# Altium PCB ControlBoard.PcbDoc (part 1 of 3) (continued)
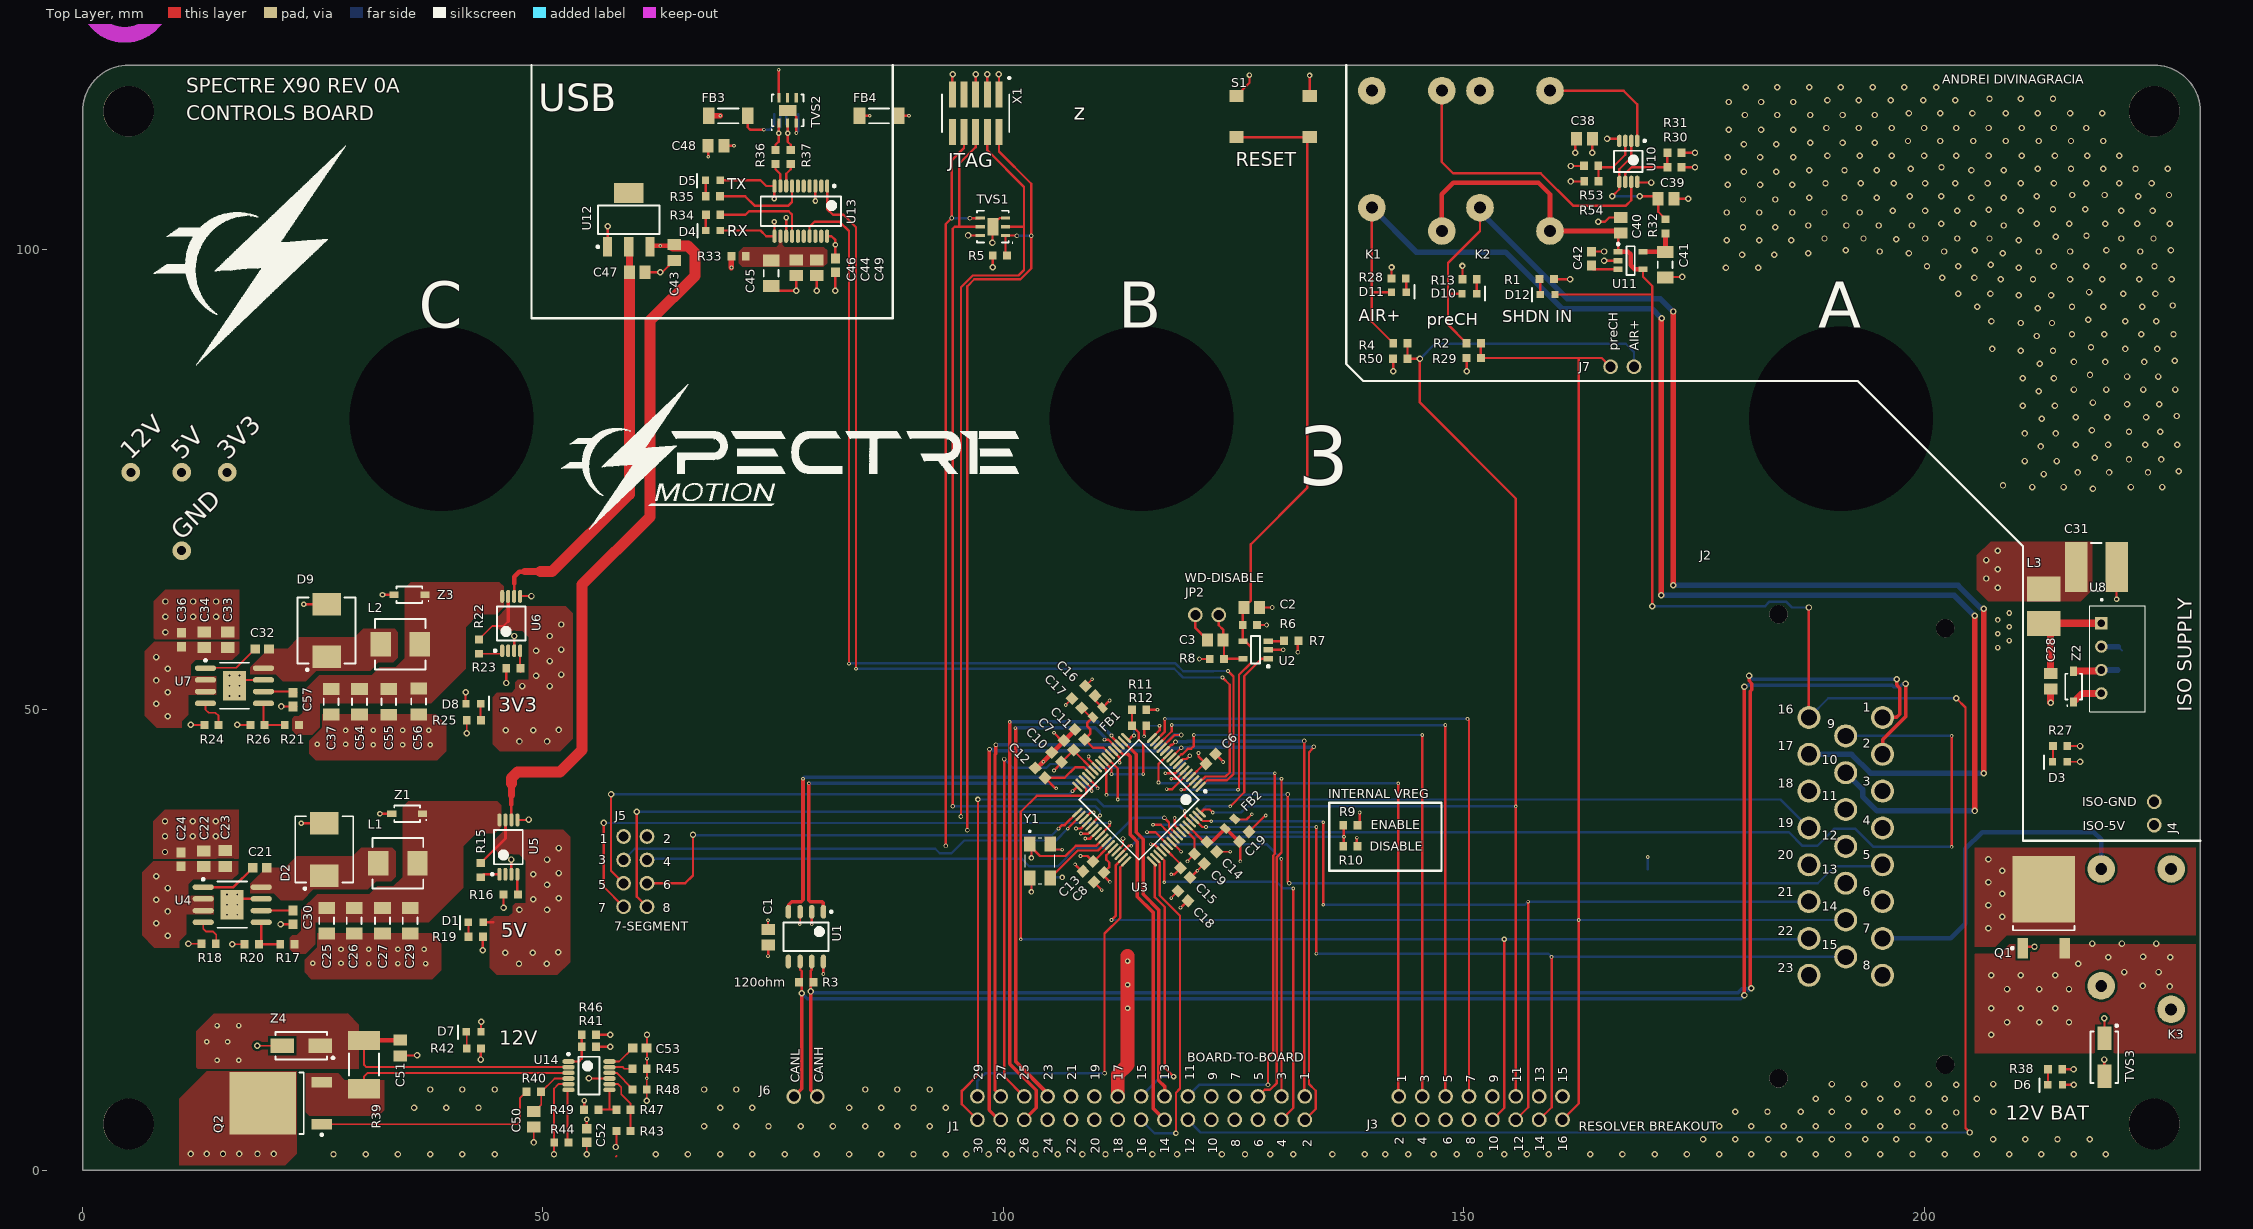
[diagram p0: Top Layer view]
## Part data (continued)
J5: library part CONN-8PIN, "CONN HEADER VERT 8POS 2.54MM", Color=Black, Manufacturer=Sullins, Package Quantity=1, Supplier Part Number 1=S2012EC-04-ND, ComponentLink1Description=https://drawings-pdf.s3.amazonaws.com/11636.pdf?src-supplier=Digi-Key, ComponentLink1URL=https://drawings-pdf.s3.amazonaws.com/11636.pdf?src-supplier=Digi-Key, Connector Type="Male Pin", Contact Mating Length=0.23inch, Contact Plating=Tin, Contact Type="Male Pin", Manufacturer Part Number=PREC004DAAN-RC, Mount="Through Hole", Number of Positions=8, Number of Rows=2, Packaging=Bulk, Pitch=0.1inch, Pricing 1="1=0.19, 10=0.179, 25=0.1524, 50=0.1334, 100=0.1239, 250=0.10956, 500=0.1048 (USD)", RoHS Compliant=Yes, Row Spacing=0.1inch, Series=-, Stock 1=939, Supplier 1=Digi-Key, Termination=Solder
J6 J7 JP2: library part M20-9990246, "CONN HEADER VERT 2POS 2.54MM", Case/Package=SIL, Colour=Black, Contact Resistance=30mR, Current Rating=3A, Insulation Resistance=10GR, Manufacturer=Harwin, Max Operating Temperature=105°C, Min Operating Temperature=-40°C, Package Quantity=1000, Voltage Rating (AC)=750V, ComponentLink1Description=https://datasheet.ciiva.com/8046/315376-8046930.pdf, ComponentLink1URL=https://datasheet.ciiva.com/8046/315376-8046930.pdf, ComponentLink2Description=https://datasheet.ciiva.com/6833/m20-999-6833368.pdf, ComponentLink2URL=https://datasheet.ciiva.com/6833/m20-999-6833368.pdf, ComponentLink3Description=https://datasheet.ciiva.com/11745/0900766b81034e61-11745755.pdf, ComponentLink3URL=https://datasheet.ciiva.com/11745/0900766b81034e61-11745755.pdf, ComponentLink4Description=https://datasheet.ciiva.com/22660/1830818-22660571.pdf, ComponentLink4URL=https://datasheet.ciiva.com/22660/1830818-22660571.pdf, ComponentLink5Description=https://datasheet.ciiva.com/26852/getdatasheetpartid-384170-26852203.pdf, ComponentLink5URL=https://datasheet.ciiva.com/26852/getdatasheetpartid-384170-26852203.pdf, Connector Type="Male Pin", Contact Material=Bronze,Brass, Contact Mating Length=0.24inch, Contact Plating=Tin, Depth=2.54mm, Gender=Male, Housing Colour=Black, Housing Material=Nylon, Length=5.08mm, Manufacturer Part Number=M20-9990246, Max Current Rating=3A, Number of Contacts=2, Number of Positions=2, Number of Rows=1, Orientation=Straight, Packaging=Bulk, Pitch=2.54mm, Pricing 1="1=0.11, 10=0.099, 100=0.0609, 500=0.0504, 1000=0.0441, 5000=0.0378, 10000=0.0368 (USD)", Radiation Hardening=No, REACH SVHC="No SVHC", Stock 1=53577, Supplier 1=Digi-Key, Supplier Part Number 1=952-2262-ND, Termination=Solder
K1 K2 K3: library part OJE-SH-112DM,000, "General Purpose Relay SPST-NO (1 Form A) 12VDC Coil Through Hole", Coil Current=37.5mA, Coil Power=500mW, Coil Resistance=320R, Coil Voltage (DC)=12V, Contact Current Rating=5A, Contact Voltage Rating (DC)=30V, Manufacturer="TE Connectivity", Max Operating Temperature=85°C, Max Voltage Rating (AC)=265V, Min Operating Temperature=-30°C, Package Quantity=100, Supplier Part Number 1=PB875-ND, Coil Type=Non-Latching, ComponentLink1Description=http://www.farnell.com/datasheets/1846831.pdf?src-supplier=Farnell, ComponentLink1URL=http://www.farnell.com/datasheets/1846831.pdf?src-supplier=Farnell, ComponentLink2Description=http://www.onlinecomponents.com/productFiles/mf-PB/ojojeseries.pdf?src-supplier=Onlinecomponents.com, ComponentLink2URL=http://www.onlinecomponents.com/productFiles/mf-PB/ojojeseries.pdf?src-supplier=Onlinecomponents.com, Contact Material=Silver, Height=14.7mm, Lead Free="Lead Free", Length=0.717inch, Manufacturer Part Number=OJE-SH-112DM,000, Max Voltage Rating (DC)=30V, Mount="Through Hole", Number of Pins=4, Operate Time=10ms, Packaging=Tray, Pricing 1="1=1.18, 10=1.105, 25=0.9824, 50=0.9334, 100=0.8843, 250=0.78608, 500=0.73696, 1000=0.68782, 5000=0.66326 (USD)", REACH SVHC=Unknown, Relay Type="General Purpose", Release Time=4ms, RoHS Compliant=Yes, Series="OJE, OEG", Stock 1=912, Supplier 1=Digi-Key, Termination=PCB, Throw Configuration=SPST, Weight=9g, Width=0.4inch
L1 L2: "FIXED IND 3.3UH 5.5A 40.4MOHM SM", Case/Package=2020, Current Rating=5.5A, DC Resistance (DCR)=40.4mR, Inductance=3.3uH, Inductance Tolerance=20%, Manufacturer="Vishay Dale", Manufacturer Part Number=IHLP2020CZER3R3M11, Max DC Current=7A, Max Operating Temperature=125°C, Min Operating Temperature=-55°C, Package Quantity=2000, Self Resonant Frequency=29MHz, Supplier Part Number 1=541-1237-1-ND, Test Frequency=100kHz, ComponentLink1Description=http://www.farnell.com/datasheets/480942.pdf?src-supplier=Element14, ComponentLink1URL=http://www.farnell.com/datasheets/480942.pdf?src-supplier=Element14, ComponentLink2Description=http://www.vishay.com/docs/34260/ihlp2020cz11.pdf?src-supplier=Digi-Key, ComponentLink2URL=http://www.vishay.com/docs/34260/ihlp2020cz11.pdf?src-supplier=Digi-Key, ComponentLink3Description=http://www.mouser.com/ds/2/427/ihlp2020cz11-270739.pdf?src-supplier=Mouser, ComponentLink3URL=http://www.mouser.com/ds/2/427/ihlp2020cz11-270739.pdf?src-supplier=Mouser, ComponentLink4Description=http://uk.rs-online.com/webdocs/102c/0900766b8102c930.pdf?src-supplier=RSComponents, ComponentLink4URL=http://uk.rs-online.com/webdocs/102c/0900766b8102c930.pdf?src-supplier=RSComponents, ComponentLink5Description=http://www.vishay.com/docs/34260/lp20cz11.pdf?src-supplier=Avnet, ComponentLink5URL=http://www.vishay.com/docs/34260/lp20cz11.pdf?src-supplier=Avnet, Contact Plating=Tin, Depth=5.43mm, Height=3mm, Height - Seated (Max)=0.118inch, Lead Free="Lead Free", Length=5.74mm, Military Standard=Not, Mount="Surface Mount", Packaging="Tape and Reel", Pricing 1="1=1.29, 10=1.194, 25=1.1024, 50=0.9188, 100=0.8636, 250=0.77176, 500=0.6615, 1000=0.588 (USD)", Radiation Hardening=No, Rated Current-Max=5.5A, REACH SVHC=Unknown, RMS Current (Irms)=5.5A, Saturation Current=7A, Series=IHLP-2020CZ-11, Shielding=Shielded, Stock 1=17207, Supplier 1=Digi-Key, Termination=SMD/SMT, Tolerance=20%, Width=0.204inch
L3: library part IND-22uH-630mA, "FIXED IND 22UH 630MA 700MOHM SMD", Manufacturer=Recom, Manufacturer Part Number=RLS-226, Supplier Part Number 1=945-30004971-ND, ComponentLink1Description=https://www.recom-power.com/pdf/Accessories/RLS-226.pdf?src-supplier=Digi-Key, ComponentLink1URL=https://www.recom-power.com/pdf/Accessories/RLS-226.pdf?src-supplier=Digi-Key, Pricing 1="1=0.72, 5=0.714, 10=0.704, 25=0.6832, 50=0.6626, 250=0.62116, 500=0.57974 (USD)", Stock 1=512, Supplier 1=Digi-Key
Q1 Q2: "MOSFET N CH 60V 20A TO252", Case/Package=TO-252-3, Continuous Drain Current (ID)=20A, Drain to Source Resistance=30mR, Drain to Source Voltage (Vdss)=60V, Gate to Source Voltage (Vgs)=20V, Input Capacitance=1.287nF, Manufacturer=Diodes, Max Operating Temperature=150°C, Max Power Dissipation=42W, Min Operating Temperature=-55°C, Package Quantity=2500, Supplier Part Number 1=DMN6040SK3-13DICT-ND, ComponentLink1Description=http://www.mouser.com/ds/2/115/DMN6040SK3-247263.pdf?src-supplier=Mouser, ComponentLink1URL=http://www.mouser.com/ds/2/115/DMN6040SK3-247263.pdf?src-supplier=Mouser, ComponentLink2Description=http://uk.rs-online.com/webdocs/1268/0900766b81268cd0.pdf?src-supplier=RSComponents, ComponentLink2URL=http://uk.rs-online.com/webdocs/1268/0900766b81268cd0.pdf?src-supplier=RSComponents, ComponentLink3Description=http://www.diodes.com/datasheets/DMN6040SK3.pdf?src-supplier=Avnet, ComponentLink3URL=http://www.diodes.com/datasheets/DMN6040SK3.pdf?src-supplier=Avnet, ComponentLink4Description=https://www.diodes.com/assets/Datasheets/DMN6040SK3.pdf?src-supplier=Digi-Key, ComponentLink4URL=https://www.diodes.com/assets/Datasheets/DMN6040SK3.pdf?src-supplier=Digi-Key, Element Configuration=Single, Fall Time=4ns, FET Type="1 N-Channel", Height=2.39mm, Lead Free="Lead Free", Length=6.7mm, Manufacturer Part Number=DMN6040SK3-13, Mount="Surface Mount", Number of Channels=1, Number of Pins=3, Packaging="Tape and Reel", Polarity=N-CHANNEL, Pricing 1="1=0.67, 10=0.573, 25=0.5344, 100=0.4275, 500=0.3359, 1000=0.25956 (USD)", Radiation Hardening=No, Rds On Max=40mR, REACH SVHC="No SVHC", Rise Time=8.1ns, RoHS Compliant=Yes, Series=-, Stock 1=2500, Supplier 1=Digi-Key, Turn-Off Delay Time=20.1ns, Turn-On Delay Time=6.6ns, Weight=0.139332oz, Width=6.2mm
R1 R5 R6 R8 R13 R28 R38 R42 R53: library part 0603-2K2, "RES SMD 2.2K OHM 5% 1/10W 0603", Case/Package=0603, Case Code (Metric)=1608, Manufacturer=Yageo, Manufacturer Part Number=AC0603JR-072K2L, Max Operating Temperature=155°C, Max Power Dissipation=100mW, Min Operating Temperature=-55°C, Resistance=2.2kR, Resistor Type="Thick Film", Supplier Part Number 1=YAG3657CT-ND, Temperature Coefficient=100ppm/°C, Tolerance=5%, Voltage Rating=50V, Case Code (Imperial)=0603, ComponentLink1Description=http://www.mouser.com/ds/2/447/yageodocoutput-1111992.pdf?src-supplier=Mouser, ComponentLink1URL=http://www.mouser.com/ds/2/447/yageodocoutput-1111992.pdf?src-supplier=Mouser, ComponentLink2Description=http://www.yageo.com/documents/recent/PYu-AC_51_RoHS_L_2_revised.pdf?src-supplier=Avnet+Europe, ComponentLink2URL=http://www.yageo.com/documents/recent/PYu-AC_51_RoHS_L_2_revised.pdf?src-supplier=Avnet+Europe, ComponentLink3Description=http://www.yageo.com/NewPortal/yageodocoutput?fileName=/pdf/R-Chip/PYu-AC_51_RoHS_L_6.pdf&src-supplier=Digi-Key, ComponentLink3URL=http://www.yageo.com/NewPortal/yageodocoutput?fileName=/pdf/R-Chip/PYu-AC_51_RoHS_L_6.pdf&src-supplier=Digi-Key, ComponentLink4Description=https://www.yageo.com/upload/media/product/productsearch/datasheet/rchip/PYu-AC_51_RoHS_L_7.pdf?src-supplier=Digi-Key, ComponentLink4URL=https://www.yageo.com/upload/media/product/productsearch/datasheet/rchip/PYu-AC_51_RoHS_L_7.pdf?src-supplier=Digi-Key, Contact Plating=Tin,Matte, Features="Moisture Resistant,Automotive AEC-Q200", Height=0.022inch, Lead Free="Lead Free", Length=0.063inch, Number of Terminations=2, Packaging="Tape and Reel", Power Rating=100mW, Pricing 1="1=0.1, 10=0.024, 100=0.0097, 1000=0.00436, 2500=0.00378 (USD)", Radiation Hardening=No, RoHS Compliant=Yes, Series=AC, Stock 1=107229, Supplier 1=Digi-Key, Termination=SMD/SMT, Width=0.8mm
R2 R4 R41: library part 0603-62K, "RES SMD 62K OHM 1% 1/4W 0603", Case/Package=0603, Case Code (Metric)=1608, Manufacturer=Panasonic, Manufacturer Part Number=ERJ-PA3F6202V, Max Operating Temperature=155°C, Max Power Dissipation=250mW, Min Operating Temperature=-55°C, Resistance=62kR, Resistor Type="Thick Film", Supplier Part Number 1=P62KBYCT-ND, Temperature Coefficient=100ppm/°C, Tolerance=1%, Voltage Rating=150V, Case Code (Imperial)=0603, ComponentLink1Description=http://www.farnell.com/datasheets/2059624.pdf?src-supplier=Farnell, ComponentLink1URL=http://www.farnell.com/datasheets/2059624.pdf?src-supplier=Farnell, ComponentLink2Description=http://www.farnell.com/datasheets/1801181.pdf?src-supplier=Element14, ComponentLink2URL=http://www.farnell.com/datasheets/1801181.pdf?src-supplier=Element14, Depth=0.8mm, Features="Automotive AEC-Q200", Height=0.018inch, Length=0.063inch, Mount="Surface Mount", Number of Terminations=2, Packaging="Cut Tape", Power Rating=250mW, Pricing 1="1=0.15, 10=0.13, 100=0.05, 1000=0.02201, 2500=0.01901 (USD)", REACH SVHC="No SVHC", Stock 1=17832, Supplier 1=Digi-Key, Termination=Solder, Voltage Rating (DC)=150V, Width=0.031inch
R3: library part 0603-120R, "RES SMD 120 OHM 1% 1/10W 0603", Case/Package=0603, Case Code (Metric)=1608, Manufacturer=Yageo, Manufacturer Part Number=RC0603FR-07120RL, Max Operating Temperature=155°C, Max Power Dissipation=100mW, Min Operating Temperature=-55°C, Package Quantity=1, Supplier Part Number 1=311-120HRDKR-ND, Temperature Coefficient=100ppm/°C, Tolerance=1%, Voltage Rating=50V, Case Code (Imperial)=0603, ComponentLink1Description=http://www.yageo.com/documents/recent/PYu-RC_Group_51_RoHS_L_10.pdf?src-supplier=Digi-Key, ComponentLink1URL=http://www.yageo.com/documents/recent/PYu-RC_Group_51_RoHS_L_10.pdf?src-supplier=Digi-Key, ComponentLink2Description=http://www.farnell.com/datasheets/2167052.pdf?src-supplier=Element14, ComponentLink2URL=http://www.farnell.com/datasheets/2167052.pdf?src-supplier=Element14, ComponentLink3Description=http://www.farnell.com/datasheets/1868787.pdf?src-supplier=Element14, ComponentLink3URL=http://www.farnell.com/datasheets/1868787.pdf?src-supplier=Element14, ComponentLink4Description=http://www.farnell.com/datasheets/443971.pdf?src-supplier=Element14, ComponentLink4URL=http://www.farnell.com/datasheets/443971.pdf?src-supplier=Element14, Composition="Thick Film", Depth=0.8mm, Features="Moisture Resistant", Height=0.022inch, Lead Free="Lead Free", Length=1.6mm, Military Standard=Not, Number of Pins=2, Number of Terminations=2, Packaging="Tape and Reel", Power Rating=100mW, Pricing 1="1=0.1, 10=0.023, 100=0.0094, 1000=0.00421, 2500=0.00366 (USD)", REACH SVHC="No SVHC", Resistance=120R, Stock 1=1047274, Supplier 1=Digi-Key, Termination=SMD/SMT, Voltage Rating (DC)=50V, Width=0.031inch
R7 R9 R10 R33 R44 R45 R48: library part 0603-0R, "RES SMD 0 OHM JUMPER 1/10W 0603", Case/Package=0603, Case Code (Metric)=1608, Manufacturer=Yageo, Manufacturer Part Number=RC0603JR-070RL, Max Operating Temperature=155°C, Min Operating Temperature=-55°C, Package Quantity=5000, Power Rating=100mW, Resistance=0mR, Supplier Part Number 1=311-0.0GRCT-ND, Temperature Coefficient=200ppm/°C, Tolerance=1%, Voltage Rating=50V, Case Code (Imperial)=0603, ComponentLink1Description=http://www.farnell.com/datasheets/2167052.pdf?src-supplier=Element14, ComponentLink1URL=http://www.farnell.com/datasheets/2167052.pdf?src-supplier=Element14, ComponentLink2Description=https://www.verical.com/server-webapp/html/getDatasheet?partID=329462&src-supplier=Verical, ComponentLink2URL=https://www.verical.com/server-webapp/html/getDatasheet?partID=329462&src-supplier=Verical, ComponentLink3Description=http://www.yageo.com/documents/recent/PYu-RC_Group_51_RoHS_L_9.pdf?src-supplier=Mouser, ComponentLink3URL=http://www.yageo.com/documents/recent/PYu-RC_Group_51_RoHS_L_9.pdf?src-supplier=Mouser, ComponentLink4Description=http://www.farnell.com/datasheets/443971.pdf?src-supplier=Element14, ComponentLink4URL=http://www.farnell.com/datasheets/443971.pdf?src-supplier=Element14, ComponentLink5Description=http://documents.rs-components.com/techlib://itc_doclist_GB.htm?stockno=6515918&src-supplier=RSComponents, ComponentLink5URL=http://documents.rs-components.com/techlib://itc_doclist_GB.htm?stockno=6515918&src-supplier=RSComponents, Composition="Thick Film", Contact Plating=Tin,Matte, Depth=0.8mm, Height=0.45mm, Lead Free="Lead Free", Length=1.6mm, Military Standard=Not, Number of Pins=2, Packaging="Tape and Reel", Pricing 1="1=0.1, 10=0.019, 25=0.0136, 50=0.0104, 100=0.0077, 250=0.00588, 500=0.00472, 1000=0.00347 (USD)", Radiation Hardening=No, REACH SVHC="No SVHC", Stock 1=25658294, Supplier 1=Digi-Key, Termination=SMD/SMT, Voltage Rating (DC)=50V, Width=0.8mm
R11 R14: library part 0603-10KR, "RES SMD 10K OHM 5% 1/10W 0603", Case/Package=0603, Case Code (Metric)=1608, Manufacturer=Yageo, Manufacturer Part Number=RC0603JR-0710KL, Max Operating Temperature=155°C, Max Power Dissipation=100mW, Min Operating Temperature=-55°C, Resistance=10kR, Supplier Part Number 1=311-10KGRDKR-ND, Temperature Coefficient=100ppm/°C, Tolerance=5%, Voltage Rating=50V, Case Code (Imperial)=0603, ComponentLink1Description=http://www.yageo.com/documents/recent/PYu-RC_Group_51_RoHS_L_10.pdf?src-supplier=Digi-Key, ComponentLink1URL=http://www.yageo.com/documents/recent/PYu-RC_Group_51_RoHS_L_10.pdf?src-supplier=Digi-Key, Composition="Thick Film", Contact Plating=Tin,Matte, Depth=0.8mm, Features="Moisture Resistant", Height - Seated (Max)=0.022inch, Lead Free="Lead Free", Length=0.063inch, Military Standard=Not, Number of Pins=2, Number of Terminations=2, Packaging="Tape and Reel", Power Rating=100mW, Pricing 1="1=0.1, 10=0.019, 100=0.0077, 1000=0.00347, 2500=0.00301 (USD)", Radiation Hardening=No, REACH SVHC=Unknown, Stock 1=3006558, Supplier 1=Digi-Key, Termination=SMD/SMT, Voltage Rating (DC)=50V, Width=0.031inch
R12: library part 0603-10K-thermistor, "THERMISTOR NTC 10KOHM 3380K 0603", Case/Package=0603, Case Code (Metric)=1608, Current Rating=310uA, Manufacturer=Murata, Manufacturer Part Number=NCP18XH103F03RB, Max Operating Temperature=125°C, Max Power Dissipation=100mW, Min Operating Temperature=-40°C, Package Quantity=1, Resistance=10kR, Supplier Part Number 1=490-4800-6-ND, Tolerance=1%, Accuracy=0.7%, Case Code (Imperial)=0603, ComponentLink1Description=http://www.mouser.com/ds/2/281/r44e-522712.pdf?src-supplier=Mouser, ComponentLink1URL=http://www.mouser.com/ds/2/281/r44e-522712.pdf?src-supplier=Mouser, ComponentLink2Description=http://uk.rs-online.com/webdocs/07f1/0900766b807f1e39.pdf?src-supplier=RSComponents, ComponentLink2URL=http://uk.rs-online.com/webdocs/07f1/0900766b807f1e39.pdf?src-supplier=RSComponents, ComponentLink3Description=http://www.murata.com/~/media/webrenewal/support/library/catalog/products/thermistor/ntc/r44e.ashx?src-supplier=Avnet, ComponentLink3URL=http://www.murata.com/~/media/webrenewal/support/library/catalog/products/thermistor/ntc/r44e.ashx?src-supplier=Avnet, ComponentLink4Description=https://www.verical.com/server-webapp/html/getDatasheet?partID=153236&src-supplier=Verical, ComponentLink4URL=https://www.verical.com/server-webapp/html/getDatasheet?partID=153236&src-supplier=Verical, ComponentLink5Description=https://www.murata.com/~/media/webrenewal/support/library/catalog/products/thermistor/ntc/r44e.ashx?la=en-us&src-supplier=Digi-Key, ComponentLink5URL=https://www.murata.com/~/media/webrenewal/support/library/catalog/products/thermistor/ntc/r44e.ashx?la=en-us&src-supplier=Digi-Key, ComponentLink6Description=http://search.murata.co.jp/Ceramy/image/img/w_hinm/L0770E.pdf?src-supplier=Future+Electronics, ComponentLink6URL=http://search.murata.co.jp/Ceramy/image/img/w_hinm/L0770E.pdf?src-supplier=Future+Electronics, ComponentLink7Description=http://search.murata.co.jp/Ceramy/image/img/w_hinm/L0770E.pdf?src-supplier=Avnet+Europe, ComponentLink7URL=http://search.murata.co.jp/Ceramy/image/img/w_hinm/L0770E.pdf?src-supplier=Avnet+Europe, Depth=0.8mm, Height=0.8mm, Lead Free="Lead Free", Length=1.6mm, Mount="Surface Mount", Number of Pins=2, Number of Terminals=2, Packaging="Tape and Reel", Power Rating=100mW, Pricing 1="1=0.24, 5=0.23, 10=0.204, 25=0.1876, 50=0.15, 100=0.1286, 500=0.1125, 1000=0.09643 (USD)", Radiation Hardening=No, REACH SVHC="No SVHC", Stock 1=66922, Supplier 1=Digi-Key, Termination=SMD/SMT
R15 R16 R19 R22 R23 R25 R27: library part 0603-1KR, "RES SMD 1K OHM 1% 1/10W 0603", Case/Package=0603, Case Code (Metric)=1608, Manufacturer="Vishay Dale", Manufacturer Part Number=CRCW06031K00FKEA, Max Operating Temperature=155°C, Max Power Dissipation=100mW, Min Operating Temperature=-55°C, Package Quantity=10, Resistance=1kR, Supplier Part Number 1=541-1.00KHCT-ND, Temperature Coefficient=100ppm/°C, Tolerance=1%, Voltage Rating=75V, Case Code (Imperial)=0603, ComponentLink1Description=http://www.vishay.com/docs/20035/dcrcwe3.pdf?src-supplier=Digi-Key, ComponentLink1URL=http://www.vishay.com/docs/20035/dcrcwe3.pdf?src-supplier=Digi-Key, ComponentLink2Description=http://uk.rs-online.com/webdocs/0d98/0900766b80d98afc.pdf?src-supplier=RSComponents, ComponentLink2URL=http://uk.rs-online.com/webdocs/0d98/0900766b80d98afc.pdf?src-supplier=RSComponents, ComponentLink3Description=http://www.vishay.com/docs/20035/dcrcwe3.pdf?src-supplier=Avnet, ComponentLink3URL=http://www.vishay.com/docs/20035/dcrcwe3.pdf?src-supplier=Avnet, ComponentLink4Description=http://www.vishay.com/docs/20035/dcrcwe3.pdf?src-supplier=Avnet+Asia, ComponentLink4URL=http://www.vishay.com/docs/20035/dcrcwe3.pdf?src-supplier=Avnet+Asia, ComponentLink5Description=http://www.farnell.com/datasheets/2310790.pdf?src-supplier=Element14, ComponentLink5URL=http://www.farnell.com/datasheets/2310790.pdf?src-supplier=Element14, ComponentLink6Description=https://www.distrelec.biz/Web/Downloads/a_/en/flD-CRCW-e3_data_en.pdf?mime=application%2Fpdf&src-supplier=Distrelec, ComponentLink6URL=https://www.distrelec.biz/Web/Downloads/a_/en/flD-CRCW-e3_data_en.pdf?mime=application%2Fpdf&src-supplier=Distrelec, ComponentLink7Description=http://www.vishay.com/docs/20035/dcrcwe3.pdf?src-supplier=Future+Electronics, ComponentLink7URL=http://www.vishay.com/docs/20035/dcrcwe3.pdf?src-supplier=Future+Electronics, ComponentLink8Description=http://www.vishay.com/docs/20035/dcrcwe3.pdf?src-supplier=Avnet+Europe, ComponentLink8URL=http://www.vishay.com/docs/20035/dcrcwe3.pdf?src-supplier=Avnet+Europe, Composition="Thick Film", Contact Plating=Tin, Depth=0.85mm, Features="Automotive AEC-Q200", Height=0.45mm, Lead Free="Lead Free", Length=1.55mm, Military Standard=Not, Mount="Surface Mount", Number of Pins=2, Number of Terminations=2, Packaging="Tape and Reel", Power Rating=100mW, Pricing 1="1=0.1, 10=0.034, 100=0.0139, 1000=0.00623, 2500=0.0054 (USD)", Radiation Hardening=No, REACH SVHC=Unknown, Stock 1=671453, Supplier 1=Digi-Key, Termination=SMD/SMT, Voltage Rating (DC)=75V, Weight=7.1E-05oz, Width=0.033inch
R17: library part 0603-100K, "RES SMD 100K OHM 1% 1/10W 0603", Case/Package=0603, Case Code (Metric)=1608, Manufacturer=Yageo, Manufacturer Part Number=RC0603FR-07100KL, Max Operating Temperature=155°C, Max Power Dissipation=100mW, Min Operating Temperature=-55°C, Resistance=100kR, Resistance Tolerance=1%, Resistor Type="Thick Film", Supplier Part Number 1=311-100KHRCT-ND, Temperature Coefficient=100ppm/°C, Voltage Rating=50V, Working Voltage=75V, Case Code (Imperial)=0603, ComponentLink1Description=http://www.farnell.com/datasheets/2167052.pdf?src-supplier=Element14, ComponentLink1URL=http://www.farnell.com/datasheets/2167052.pdf?src-supplier=Element14, ComponentLink2Description=http://www.farnell.com/datasheets/443971.pdf?src-supplier=Element14, ComponentLink2URL=http://www.farnell.com/datasheets/443971.pdf?src-supplier=Element14, ComponentLink3Description=http://documents.rs-components.com/techlib://itc_doclist_GB.htm?stockno=5048940&src-supplier=RSComponents, ComponentLink3URL=http://documents.rs-components.com/techlib://itc_doclist_GB.htm?stockno=5048940&src-supplier=RSComponents, ComponentLink4Description=http://www.farnell.com/datasheets/1868787.pdf?src-supplier=Element14, ComponentLink4URL=http://www.farnell.com/datasheets/1868787.pdf?src-supplier=Element14, Construction=Rectangular, Depth=0.8mm, Features="Moisture Resistant", Height=0.45mm, Lead Free="Lead Free", Length=1.6mm, Military Standard=Not, Number of Pins=2, Number of Terminations=2, Packaging="Tape and Reel", Power Rating=100mW, Pricing 1="1=0.1, 10=0.024, 100=0.0097, 1000=0.00436, 2500=0.00378 (USD)", REACH SVHC="No SVHC", RoHS Compliant=Yes, Series=RC, Stock 1=11174551, Supplier 1=Digi-Key, Technology="THICK FILM", Termination=SMD/SMT, Tolerance=1%, Voltage Rating (DC)=50V, Width=0.8mm
R18 R24: library part 0603-49K9, "RES SMD 49.9KOHM 0.5% 1/10W 0603", Case/Package=0603, Case Code (Metric)=1608, Manufacturer="Vishay Dale", Manufacturer Part Number=CRCW060349K9DHEAP, Max Operating Temperature=155°C, Max Power Dissipation=100mW, Min Operating Temperature=-55°C, Resistance=49.9kR, Resistor Type="Thick Film", Supplier Part Number 1=541-49.9KAYCT-ND, Temperature Coefficient=50ppm/°C, Tolerance=0.5%, Case Code (Imperial)=0603, ComponentLink1Description=http://www.vishay.com/docs/20036/dcrcwpe3.pdf?src-supplier=Digi-Key, ComponentLink1URL=http://www.vishay.com/docs/20036/dcrcwpe3.pdf?src-supplier=Digi-Key, ComponentLink2Description=https://www.vishay.com/docs/20036/dcrcwpe3.pdf?src-supplier=Digi-Key, ComponentLink2URL=https://www.vishay.com/docs/20036/dcrcwpe3.pdf?src-supplier=Digi-Key, Features="Automotive AEC-Q200", Number of Terminations=2, Packaging="Tape and Reel", Pricing 1="1=0.3, 10=0.253, 100=0.0989, 1000=0.0414, 2500=0.03795 (USD)", RoHS Compliant=Yes, Series=CRCW-P, Stock 1=30757, Supplier 1=Digi-Key
R20: library part 0603-17K8, "RES SMD 17.8K OHM 1% 1/10W 0603", Case/Package=0603, Case Code (Metric)=1608, Manufacturer=Yageo, Manufacturer Part Number=RC0603FR-0717K8L, Max Operating Temperature=155°C, Max Power Dissipation=100mW, Min Operating Temperature=-55°C, Package Quantity=1, Resistance=17.8kR, Resistor Type="Thick Film", Supplier Part Number 1=311-17.8KHRCT-ND, Temperature Coefficient=100ppm/°C, Tolerance=1%, Voltage Rating=75V, Voltage Rating (DC)=50V, Case Code (Imperial)=0603, ComponentLink1Description=http://www.yageo.com/documents/recent/PYu-RC_Group_51_RoHS_L_10.pdf?src-supplier=Digi-Key, ComponentLink1URL=http://www.yageo.com/documents/recent/PYu-RC_Group_51_RoHS_L_10.pdf?src-supplier=Digi-Key, ComponentLink2Description=http://www.yageo.com/documents/recent/PYu-RC_Group_51_RoHS_L_9.pdf?src-supplier=Digi-Key, ComponentLink2URL=http://www.yageo.com/documents/recent/PYu-RC_Group_51_RoHS_L_9.pdf?src-supplier=Digi-Key, Construction=Rectangular, Depth=0.8mm, Features="Moisture Resistant", Height=0.022inch, Lead Free="Lead Free", Length=1.6mm, Military Standard=Not, Number of Terminations=2, Packaging="Tape and Reel", Power Rating=100mW, Pricing 1="1=0.1, 10=0.024, 100=0.0097, 1000=0.00436, 2500=0.00378 (USD)", RoHS Compliant=Yes, Series=RC, Size Code=0603, Stock 1=302262, Supplier 1=Digi-Key, Termination=SMD/SMT, Weight=7.1E-05oz, Width=0.031inch
R21: library part 0603-102K, "RES SMD 102K OHM 1% 1/10W 0603", Case/Package=0603, Case Code (Metric)=1608, Manufacturer=Samsung, Manufacturer Part Number=RC1608F1023CS, Max Operating Temperature=155°C, Max Power Dissipation=100mW, Min Operating Temperature=-55°C, Package Quantity=1, Resistance=102kR, Resistor Type="Thick Film", Supplier Part Number 1=1276-4839-1-ND, Temperature Coefficient=100ppm/°C, Tolerance=1%, Voltage Rating (DC)=50V, Case Code (Imperial)=0603, ComponentLink1Description=https://produktinfo.conrad.com/datenblaetter/450000-474999/450136-da-01-en-WIDERSTAND_0603.pdf?src-supplier=Conrad, ComponentLink1URL=https://produktinfo.conrad.com/datenblaetter/450000-474999/450136-da-01-en-WIDERSTAND_0603.pdf?src-supplier=Conrad, Contact Plating=Tin, Features="Moisture Resistant", Height=0.022inch, Lead Free="Lead Free", Length=0.063inch, Number of Terminations=2, Packaging="Tape and Reel", Power Rating=100mW, Pricing 1="1=0.1, 10=0.074, 100=0.0285, 1000=0.01254, 2500=0.01083 (USD)", Radiation Hardening=No, RoHS Compliant=Yes, Series=RC, Stock 1=4439, Supplier 1=Digi-Key, Width=0.031inch
R26: library part 0603-30KR, "RES SMD 30K OHM 1% 1/10W 0603", Case/Package=0603, Case Code (Metric)=1608, Manufacturer=Yageo, Manufacturer Part Number=RC0603FR-0730KL, Max Operating Temperature=155°C, Min Operating Temperature=-55°C, Package Quantity=5000, Power Rating=100mW, Resistance=30kR, Supplier Part Number 1=311-30.0KHRDKR-ND, Temperature Coefficient=100ppm/°C, Tolerance=1%, Voltage Rating=50V, Case Code (Imperial)=0603, ComponentLink1Description=http://www.mouser.com/catalog/specsheets/RC0603.pdf?src-supplier=Mouser, ComponentLink1URL=http://www.mouser.com/catalog/specsheets/RC0603.pdf?src-supplier=Mouser, ComponentLink2Description=http://www.farnell.com/datasheets/2167052.pdf?src-supplier=Element14, ComponentLink2URL=http://www.farnell.com/datasheets/2167052.pdf?src-supplier=Element14, Composition="Thick Film", Depth=0.8mm, Height=0.45mm, Lead Free="Lead Free", Length=1.6mm, Military Standard=Not, Number of Pins=2, Packaging="Tape and Reel", Pricing 1="1=0.1, 10=0.023, 100=0.0094, 1000=0.00421, 2500=0.00366 (USD)", REACH SVHC=Unknown, Stock 1=1047616, Supplier 1=Digi-Key, Termination=SMD/SMT, Voltage Rating (DC)=50V, Width=0.8mm
R29 R50: library part 0603-22.1KR, "RES SMD 22.1K OHM 1% 1/10W 0603", Case/Package=0603, Case Code (Metric)=1608, Manufacturer=Vishay, Manufacturer Part Number=CRCW060322K1FKEA, Max Operating Temperature=155°C, Max Power Dissipation=100mW, Min Operating Temperature=-55°C, Package Quantity=10, Resistance=22.1kR, Resistance Tolerance=1%, Resistor Type="Thick Film", Supplier Part Number 1=541-22.1KHDKR-ND, Temperature Coefficient=100ppm/°C, Voltage Rating=75V, Case Code (Imperial)=0603, ComponentLink1Description=http://www.farnell.com/datasheets/2046716.pdf?src-supplier=Element14, ComponentLink1URL=http://www.farnell.com/datasheets/2046716.pdf?src-supplier=Element14, ComponentLink2Description=http://www.vishay.com/docs/20035/dcrcwe3.pdf?src-supplier=Digi-Key, ComponentLink2URL=http://www.vishay.com/docs/20035/dcrcwe3.pdf?src-supplier=Digi-Key, ComponentLink3Description=http://uk.rs-online.com/webdocs/0d98/0900766b80d98afc.pdf?src-supplier=RSComponents, ComponentLink3URL=http://uk.rs-online.com/webdocs/0d98/0900766b80d98afc.pdf?src-supplier=RSComponents, ComponentLink4Description=https://www.alliedelec.com/m/d/0c934d6939ccefa68dbe0b96d821c8cf.pdf?src-supplier=Allied+Electronics, ComponentLink4URL=https://www.alliedelec.com/m/d/0c934d6939ccefa68dbe0b96d821c8cf.pdf?src-supplier=Allied+Electronics, ComponentLink5Description=http://www.vishay.com/docs/20035/dcrcwe3.pdf?src-supplier=Avnet, ComponentLink5URL=http://www.vishay.com/docs/20035/dcrcwe3.pdf?src-supplier=Avnet, ComponentLink6Description=http://www.vishay.com/docs/20035/dcrcwe3.pdf?src-supplier=Future+Electronics, ComponentLink6URL=http://www.vishay.com/docs/20035/dcrcwe3.pdf?src-supplier=Future+Electronics, ComponentLink7Description=http://www.vishay.com/docs/20035/dcrcwe3.pdf?src-supplier=Avnet+Europe, ComponentLink7URL=http://www.vishay.com/docs/20035/dcrcwe3.pdf?src-supplier=Avnet+Europe, Construction=Rectangular, Contact Plating=Tin, Depth=0.85mm, Features="Automotive AEC-Q200", Height=0.45mm, Lead Free="Lead Free", Length=1.55mm, Military Standard=Not, Mount="Surface Mount", Number of Terminations=2, Packaging="Tape and Reel", Power Rating=100mW, Pricing 1="1=0.1, 10=0.036, 100=0.0145, 1000=0.00652, 2500=0.00566 (USD)", Radiation Hardening=No, REACH SVHC=Unknown, RoHS Compliant=Yes, Series=CRCW, Size Code=0603, Stock 1=2740, Supplier 1=Digi-Key, Technology="THICK FILM", Termination=SMD/SMT, Tolerance=1%, Voltage Rating (DC)=75V, Weight=7.1E-05oz, Width=0.033inch